# Altium PCB PCB_V2.PcbDoc (part 1 of 2) (continued)
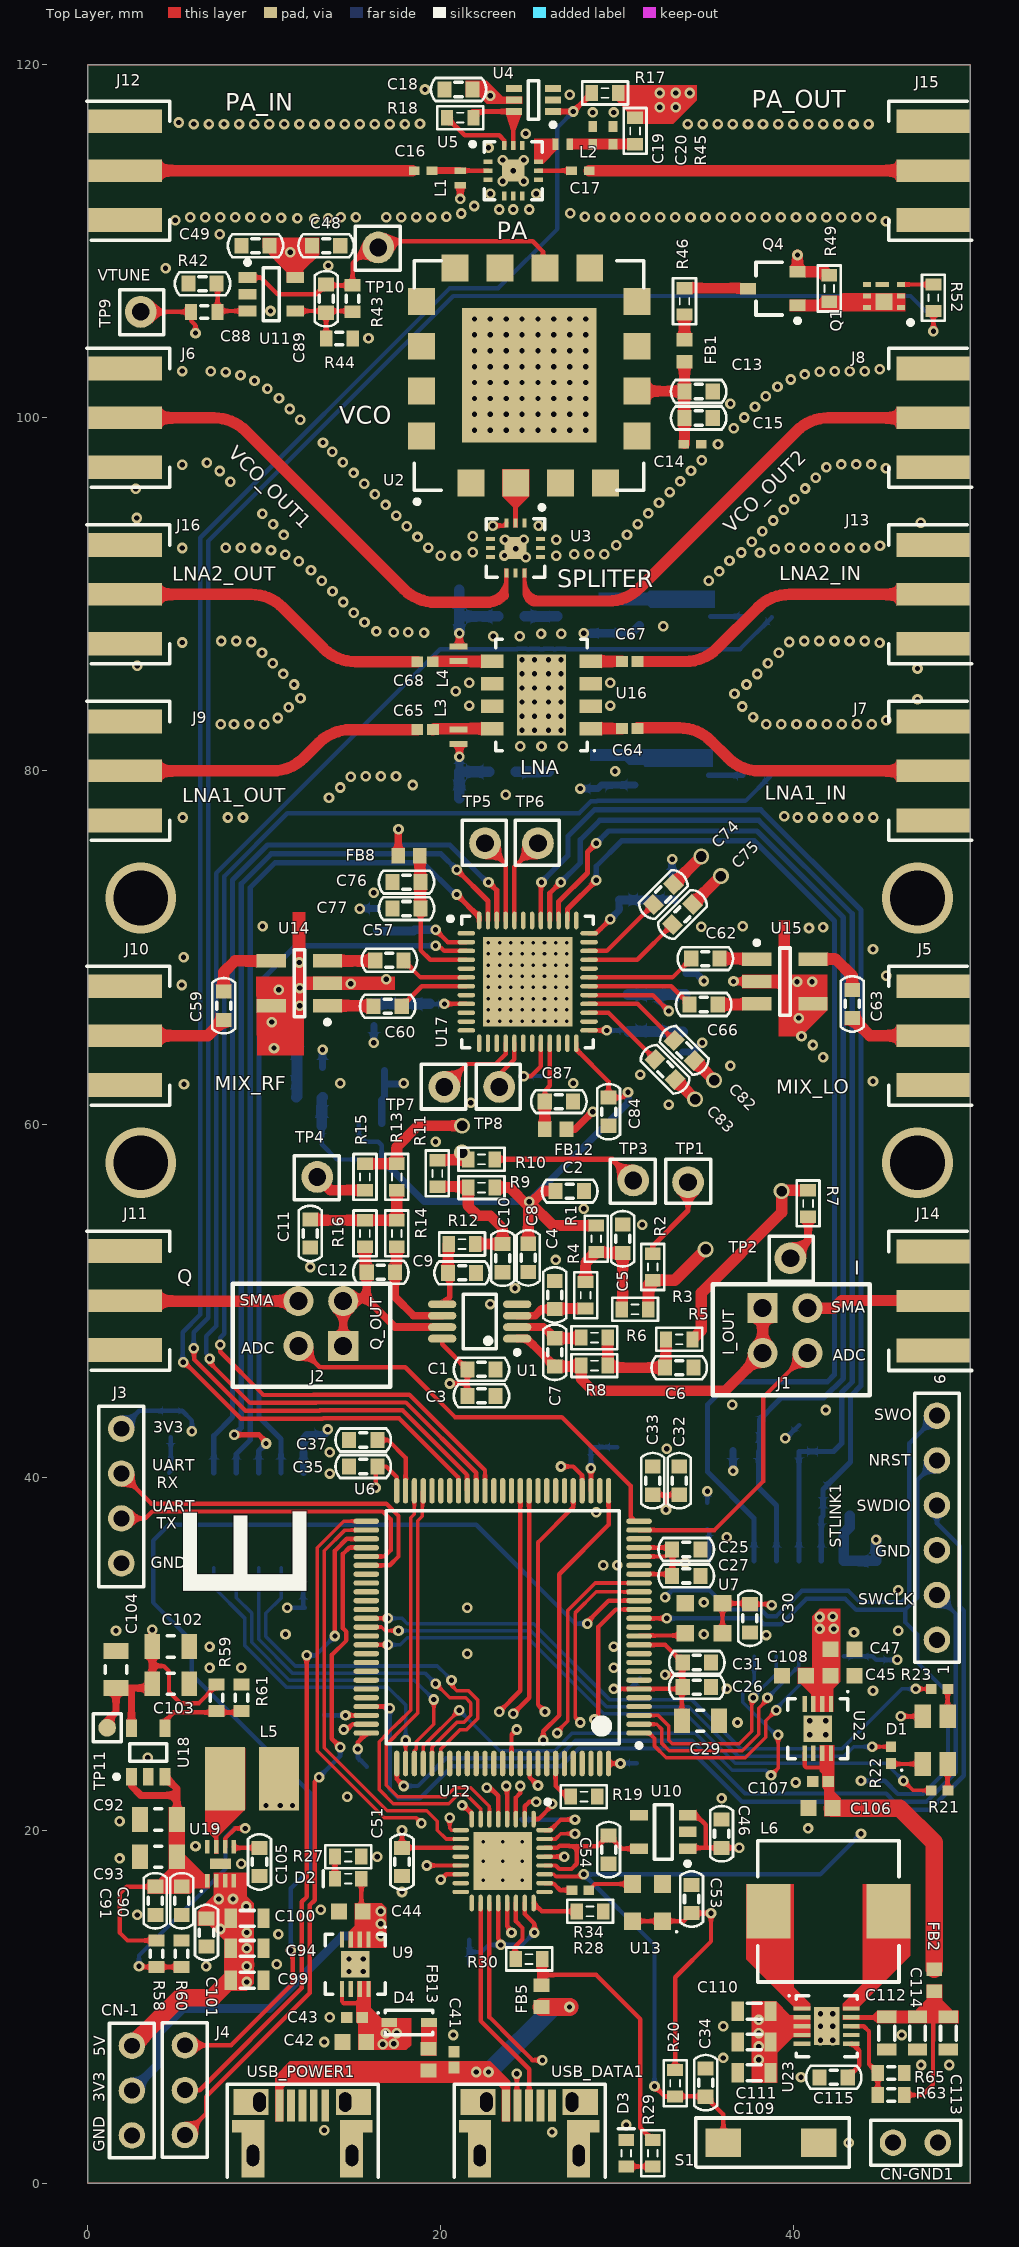
[diagram p0: Top Layer view]
## Components (designator, comment, footprint, x,y, rotation, side; value= is the part's Value field where it differs from the comment) (continued)
R20 "10K" "0603 Res" 33.269,5.667 r90 top
R21 "100" RESC1005X04L 48.25,22.25 r180 top
R22 "220" RESC1005X04L 45.5,24.25 r90 top
R23 "100" RESC1005X04L 48.25,28 r180 top
R24 "56K" "0603 Res" 12.55,63.2 r0 bottom
R25 "56K" "0603 Res" 12.55,61.515 r180 bottom
R26 "24K" "0603 Res" 11.85,65.5 r270 bottom
R27 "220" "0603 Res" 14.75,18.5 r0 top
R28 "8.06K" "0603 Res" 28.45,15.4 r0 top
R29 "1K" "0603 Res" 32,1.7 r270 top
R30 "10K" "0603 Res" 25,12.7 r0 top
R34 "100" RESC1005X04L 27.9,16.6 r180 top
R35 "10K" "0603 Res" 42.4,37.8 r0 bottom
R36 "10K" "0603 Res" 40.3,42.2 r90 bottom
R37 "10k" "0603 Res" 37.3,41.5 r180 bottom
R38 "DNI/10K" "0603 Res" 37.3,43 r0 bottom
R39 "DNI/10K" "0603 Res" 41.8,42.2 r270 bottom
R40 "DNI/10K" "0603 Res" 42.4,39.3 r180 bottom
R41 "30K" "0603 Res" 25.685,61.97 r90 bottom
R42 "?" J1-0603 6.6,106 r180 top
R43 "56K" J1-0603 15,106.75 r270 top
R44 "10K" J1-0603 14.25,104.5 r0 top
R45 "0R" "0603 Res" 31,116.25 r90 top
R46 "0R" "0603 Res" 33.8,106.6 r90 top
R47 "10k" "0603 Res" 4.7,43 r90 bottom
R48 "10k" "0603 Res" 35.1,37.8 r90 bottom
R49 "1k" "0603 Res" 42,107.325 r90 top
R50 "1k" "0603 Res" 31.25,89 r270 bottom
R51 "1k" "0603 Res" 31,79.95 r270 bottom
R52 "1k" "0603 Res" 47.9,106.8 r270 top
R53 "1k" "0603 Res" 38,88.7 r0 bottom
R54 "1k" "0603 Res" 37.9,79.7 r0 bottom
R55 "0R" "0603 Res" 24,88.75 r0 bottom
R56 "0R" "0603 Res" 23.5,79.95 r0 bottom
R58 "41.2K" J1-0603 3.9,13 r90 top
R59 "62K" J1-0603 7.3,27.5 r90 top
R60 "2K" J1-0603 5.3,13 r270 top
R61 "3K" J1-0603 8.7,27.5 r270 top
R63 "118K" J1-0603 45.5,5 r0 top
R65 "11.3K" J1-0603 45.5,6.25 r180 top
S1 "PushButton" GH7643CT-ND 38.7,2.3 r0 top
STLINK1 "Header-1x6" Header-1x6 48.1,33.32 r90 top
TP1 "TEST_POINT_PIN" TESTPOINT 34,56.7 r270 top
TP2 "TEST_POINT_PIN" TESTPOINT 39.8,52.4 r180 top
TP3 "TEST_POINT_PIN" TESTPOINT 30.9,56.8 r90 top
TP4 "TEST_POINT_PIN" TESTPOINT 13,57 r90 top
TP5 "TEST_POINT_PIN" TESTPOINT 22.5,75.9 r0 top
TP6 "TEST_POINT_PIN" TESTPOINT 25.5,75.9 r0 top
TP7 "TEST_POINT_PIN" TESTPOINT 20.2,62.1 r0 top
TP8 "TEST_POINT_PIN" TESTPOINT 23.3,62.1 r0 top
TP9 "TEST_POINT_PIN" TESTPOINT 3,106 r180 top
TP10 "TEST_POINT_PIN" TESTPOINT 16.45,109.65 r90 top
TP11 "TEST_POINT_PIN" "TESTPOINT 1mm" 1.1,25.8 r90 top
U1 "OPA2354AIDGKR" MSOP-8 22.2,48.815 r180 top
U2 "V600ME10-LF" CK605 25,102.4 r0 top
U3 "GP2Y+" DQ1225 24.225,92.625 r270 top
U4 "SN74LVC2G17DCKR" "DCK (R-PDSO-G6)" 25.25,118 r180 top
U5 "TSS-53LNB+" DQ1225 24.1,114 r0 top
U6 "STM32F205VET6" LQFP-100 23.5,31.5 r180 top
U7 "DSC6111CI1A-016.0000" "DFN 3.2x2.5" 34.9,32 r180 top
U8 "MCP6001T-I/LT" SC70P210X110-5L 16,59.015 r90 bottom
U9 "ADM7171ACPZ-3.3-R7" "SON50P300X80_HS-9N LFCSP_WD Analog" 15.15,12.405 r270 top
U10 "TLV73318PDBVT" SOT95P280X110-5N 32.6,19.9 r180 top
U11 "MIC6211YM5TR" SOT95P280X90-5N2 10.4,107 r0 top
U12 "USB3320C-EZK-TR" QFN127P600-8N 23.5,18.25 r270 top
U13 "DSC6101CI2A-024.0000" "DFN 3.2x2.5" 31.7,15.9 r90 top
U14 "TC1-1-43X+" AT1521 11.985,67.97 r180 top
U15 "TC1-1-43X+" AT1521 39.485,68.07 r0 top
U16 "MPGA-105+" DL1020_RECOMENDEDVALUES 25.7,84.3 r180 top
U17 "TRF371125IRGZT" QFN50P700X700X100_HS-49M 24.917,68.053 r0 top
U18 "ADP7142AUJZ-R7" SOT95P280X90-5N 3.425,24.4 r90 top
U19 "MIC2605YMLTR" SON50P200X90_HS-9N 7.525,18.1 r90 top
U20 "TXS0104EPWR" 14-SOIC 8.41,37.55 r90 bottom
U21 "TXS0104EPWR" 14-SOIC 39.01,32.55 r90 bottom
U22 "ADM7171ACPZ-5.0-R7" "SON50P300X80_HS-9N LFCSP_WD Analog" 41.35,25.75 r270 top
U23 "TPS63060DSCR" SON50P300X80_HS-11N 41.85,8.9 r0 top
USB_DATA1 "USB micro B" USB-MicroB 25,4.4 r0 top
USB_POWER1 "USB micro B" USB-MicroB 12.15,4.4 r0 top

## Footprints (in the part's own frame and the unit in brackets; to place one, negate y for a bottom-side part, rotate by r counter-clockwise, add the part's x,y. Pads: shape width x height; smd on the part's side, far side on the other; paste and mask are expansions set on the pad)
2x2_PinHeader [mm]
  rect 1.7x1.7 hole 1.02: 1(-1.27,1.27)
  round 1.7 hole 1.02: 2(-1.27,-1.27) 3(1.27,-1.27) 4(1.27,1.27)
8-QFN [mm]
  rect 0.45x0.3 smd: 1(-0.975,0.65) 2(-0.975,0) 3(-0.975,-0.65) 4(0.975,-0.65) 5(0.975,0) 6(0.975,0.65)
  rect 0.75x0.3 smd: 7(0.095,-0.65)
  rect 0.95x0.95 smd: 8(0,0.325)
  silkscreen extent -1.63,1.38 -1.38,1.62, body extent -1.05,-1.05 1.05,1.05, height 0.8
14-SOIC [mm]
  rect 1.55x0.6 smd: 1(-2.7,3.81) 2(-2.7,2.54) 3(-2.7,1.27) 4(-2.7,0) 5(-2.7,-1.27) 6(-2.7,-2.54) 7(-2.7,-3.81) 8(2.7,-3.81) 9(2.7,-2.54) 10(2.7,-1.27) 11(2.7,0) 12(2.7,1.27) 13(2.7,2.54) 14(2.7,3.81)
  silkscreen extent -2.82,-4.4 1.6,4.79, body extent -2,-4.4 2,4.4, height 1.75
"0603 Cap" [mm] "Chip Capacitor, Body 1.6x0.8mm, IPC High Density"
  rect 0.8x0.9 smd: 1(-0.8,0) 2(0.8,0)
  silkscreen extent -1.57,-0.65 1.57,0.65, body extent -0.8,-0.4 0.8,0.4, height 0.78
"0603 LED" [mm] "LED, Body 1.6x0.8mm, IPC High Density"
  rect 0.7x0.9 smd: 1(-0.75,0) 2(0.75,0)
  silkscreen extent -0.2,-0.45 1.4,0.45, body extent -0.85,-0.45 0.85,0.45, height 0.9
"0603 Res" [mm] "Chip Resistor, Body 1.6x0.8mm, IPC High Density"
  rect 0.7x0.9 smd: 1(-0.75,0) 2(0.75,0)
  silkscreen extent -1.3,-0.65 1.3,0.65, body extent -0.78,-0.43 0.78,0.43, height 0.44
"0805 CAP" [mm] "Chip Capacitor, 2-Leads, Body 2,00x1,25mm, IPC Medium Density"
  rect 0.9x1.4 smd: 1(-1.05,0) 2(1.05,0)
  silkscreen extent -0.2,-0.6 0.2,0.6, body extent -1,-0.6 1,0.6, height 1.2
AT1521 [mm] "SOTFL, 5-Leads, Body 3,81x3,81mm, Pitch 1,27mm, IPC Low Density, Minicircuits"
  rect 1.65x0.76 smd: 1(-1.59,1.27) 2(-1.59,0) 3(-1.59,-1.27) 4(1.59,-1.27) 6(1.59,1.27)
  silkscreen extent -1.72,-1.9 0.3,2.32, body extent -1.91,-1.91 1.91,1.91, height 4.06
CAPC1005X05L [mm] "Chip Capacitor, 2-Leads, Body 1,00x0,50mm, IPC High Density"
  rect 0.6x0.5 smd: 1(-0.5,0) 2(0.5,0)
  body extent -0.55,-0.3 0.55,0.3, height 0.5
CAPC1608X10L [mm] "Chip Capacitor, 2-Leads, Body 1,60x0,80mm, IPC High Density"
  rect 0.9x0.9 smd: 1(-0.675,0) 2(0.675,0)
  body extent -0.9,-0.5 0.9,0.5, height 1
CAPC2012X08L [mm] "Chip Capacitor, 2-Leads, Body 2,00x1,25mm, IPC High Density"
  rect 0.7x1.1 smd: 1(-0.925,0) 2(0.925,0)
  silkscreen extent -0.4,-0.45 0.4,0.45, body extent -1,-0.63 1,0.63, height 0.85
Chip2PinSM127P600-8N_CAP0402 [mm]
  rect 0.66x0.62 smd: 1(-0.44,0) 2(0.44,0)
  body extent -0.53,-0.28 0.53,0.27, height 0.5
CK605 [mm] "QFN, 16-Leads, Body 12,70x12,70mm, Pitch 2,54mm, IPC Low Density, Minicircuits"
  rect 1.52x1.52 smd: 1(-3.302,-6.096) 2(-0.762,-6.096) 3(1.778,-6.096) 4(4.318,-6.096) 5(6.1,-3.429) 6(6.1,-0.889) 7(6.1,1.651) 8(6.1,4.191) 9(3.429,6.096) 10(0.889,6.096) 11(-1.651,6.096) 12(-4.191,6.096) 13(-6.1,4.191) 14(-6.1,1.651) 15(-6.1,-0.889) 16(-6.1,-3.429)
  rect 7.62x7.62 smd: 17(0,0)
  silkscreen extent -6.5,-7.27 6.5,6.5, body extent -6.35,-6.35 6.35,6.35, height 1.78
CON-SMA-EDGE-S [mm]
  rect 1.27x4.2 smd: 1(0,0)
  rect 1.35x4.2 smd: 2(-2.8,0) 3(2.8,0)
  rect 1.35x4.2 smd far side: 4(-2.8,0) 5(2.8,0)
  silkscreen extent -3.94,-2.54 3.94,2.16, body extent -3.17,-2.05 3.18,11.28, height 3.77
"DCK (R-PDSO-G6)" [mm] "TSOP, 6-Leads, Body 2,00x1,25mm, Pitch 0,65mm, IPC Low Density, TexasInstrument, TI"
  rect 0.9x0.4 smd: 1(-1.1,0.65) 2(-1.1,0) 3(-1.1,-0.65) 4(1.1,-0.65) 5(1.1,0) 6(1.1,0.65)
  silkscreen extent -1.23,-1.1 0.3,1.52, body extent -0.7,-1.1 0.7,1.1, height 1.1
DFN270P320X210-4N [mm] "DFN, 4-Leads, Body 2,80x3,20mm, Pitch 2,70mm, IPC Medium Density"
  rect 1.35x0.95 smd: 1(1.35,0.707) 2(1.35,-0.707) 3(-1.35,0.707) 4(-1.35,-0.707)
  silkscreen extent -1.75,1.85 -1.65,1.95, body extent -1.7,-1.5 1.7,1.5, height 2.1
"DFN 3.2x2.5" [mm] "DFN, 4-Leads, Body 2,50x3,20mm, Pitch 2,10mm, IPC Medium Density"
  rect 1x0.95 smd: 1(-1.05,-0.85) 2(1.05,-0.85) 3(1.05,0.85) 4(-1.05,0.85)
  silkscreen extent -1.7,-1.7 -1.6,-1.6, body extent -1.63,-1.28 1.63,1.27, height 0.9
DL1020_RECOMENDEDVALUES [mm] "SON, 8-Leads, Body 6,00x4,90mm, Pitch 1,27mm, Thermal Pad 3,00x2,49mm, IPC Low Density, Minicircuits"
  rect 1.27x0.76 smd: 1(-2.79,1.905) 2(-2.79,0.635) 3(-2.79,-0.635) 4(-2.79,-1.905) 5(2.79,-1.905) 6(2.79,-0.635) 7(2.79,0.635) 8(2.79,1.905)
  rect 2.79x4.57 smd paste-1.245 mask+0: 9(0,0)
  silkscreen extent -3.05,-3.15 2.6,3.2, body extent -2.45,-3 2.45,3, height 0.9
DQ1225 [mm] "QFN, 12-Leads, Body 3,00x3,00mm, Pitch 0,51mm, Thermal Pad 1,25x1,25mm, IPC Low Density, Minicircuits"
  rect 0.51x0.25 smd: 1(-1.425,0.51) 2(-1.425,0) 3(-1.425,-0.51) 7(1.425,-0.51) 8(1.425,0) 9(1.425,0.51)
  rect 0.25x0.51 smd: 4(-0.51,-1.425) 5(0,-1.425) 6(0.51,-1.425) 10(0.51,1.425) 11(0,1.425) 12(-0.51,1.425)
  rect 1.25x1.25 smd: 13(0,0)
  silkscreen extent -2.42,-1.65 1.65,1.65, body extent -1.5,-1.5 1.5,1.5, height 0.89
GH7643CT-ND [mm]
  rect 2x1.6 smd: 1(-2.7,0) 2(2.7,0)
  silkscreen extent -4.26,-1.4 4.44,1.4
HEADER-1x2-Jumper [mm]
  round 1.5 hole 0.9: 1(-1.29,0) 2(1.25,0)
  silkscreen extent -2.56,-1.27 2.55,1.27, body extent -2.57,-1.24 2.52,1.25, height 8.54
Header-1x3-Jumper [mm]
  round 1.5 hole 0.9: 1(-2.54,0) 2(0,0) 3(2.54,0)
  silkscreen extent -3.81,-1.27 3.81,1.27, body extent -3.81,-1.22 3.81,1.27, height 8.54
HEADER-1X4 [mm]
  round 1.5 hole 0.9: 1(-2.54,0) 2(0,0) 3(2.54,0) 4(5.08,0)
  silkscreen extent -3.81,-1.27 6.4,1.27, body extent -3.78,-1.3 6.38,1.19, height 8.54
Header-1x6 [mm]
  round 1.5 hole 0.9: 1(-2.54,0) 2(0,0) 3(2.54,0) 4(5.08,0) 5(7.62,0) 6(10.16,0)
  silkscreen extent -3.81,-1.27 11.43,1.27, body extent -3.81,-1.22 11.43,1.27, height 8.54
INDC1005X07L [mm] "Coilcraft 0402CS, 2-Leads, Body 1,10x0,57mm, IPC High Density"
  rect 0.36x0.66 smd: 1(-0.41,0) 2(0.41,0)
  body extent -0.6,-0.32 0.6,0.32, height 0.66
INDC1008X07L [mm] "Coilcraft 0403HQ, 2-Leads, Body 1,09x0,76mm, IPC High Density"
  rect 0.36x1.02 smd: 1(-0.41,0) 2(0.41,0)
  body extent -0.6,-0.38 0.6,0.38, height 0.71
INDC1608X08L [mm] "Chip Inductor, 2-Leads, Body 1,60x0,80mm, IPC High Density"
  rect 0.77x0.88 smd: 1(-0.615,0) 2(0.615,0)
  body extent -0.87,-0.48 0.87,0.48, height 0.75
INDP4040X20N [mm] "Precision Wire Wound Inductor, 2-Leads, Body 4,00x4,00mm, IPC Medium Density"
  rect 2.25x3.6 smd: 1(-1.525,0) 2(1.525,0)
  body extent -2,-2 2,2, height 2
INDP8080X45N [mm] "Precision Wire Wound Inductor, 2-Leads, Body 8,00x8,00mm, IPC Medium Density"
  rect 2.5x3.1 smd: 1(-3.4,0) 2(3.4,0)
  silkscreen extent -4,-4 4,4, body extent -4,-4 4,4, height 4.5
J1-0603 [mm] "Chip Resistor, Body 1.6x0.8mm, IPC High Density"
  rect 0.7x0.9 smd: 1(-0.75,0) 2(0.75,0)
  silkscreen extent -0.2,-0.35 0.2,0.35, body extent -0.85,-0.48 0.85,0.48, height 0.9
LQFP-100 [mm] "TSQFP, 100-Leads, Body 14,00x14,00mm, Pitch 0,50mm, IPC Medium Density"
  oval 1.45x0.3 smd: 1(-7.725,6) 2(-7.725,5.5) 3(-7.725,5) 4(-7.725,4.5) 5(-7.725,4) 6(-7.725,3.5) 7(-7.725,3) 8(-7.725,2.5) 9(-7.725,2) 10(-7.725,1.5) 11(-7.725,1) 12(-7.725,0.5) 13(-7.725,0) 14(-7.725,-0.5) 15(-7.725,-1) 16(-7.725,-1.5) 17(-7.725,-2) 18(-7.725,-2.5) 19(-7.725,-3) 20(-7.725,-3.5) 21(-7.725,-4) 22(-7.725,-4.5) 23(-7.725,-5) 24(-7.725,-5.5) 25(-7.725,-6) 51(7.725,-6) 52(7.725,-5.5) 53(7.725,-5) 54(7.725,-4.5) 55(7.725,-4) 56(7.725,-3.5) 57(7.725,-3) 58(7.725,-2.5) 59(7.725,-2) 60(7.725,-1.5) 61(7.725,-1) 62(7.725,-0.5) 63(7.725,0) 64(7.725,0.5) 65(7.725,1) 66(7.725,1.5) 67(7.725,2) 68(7.725,2.5) 69(7.725,3) 70(7.725,3.5) 71(7.725,4) 72(7.725,4.5) 73(7.725,5) 74(7.725,5.5) 75(7.725,6)
  oval 0.3x1.45 smd: 26(-6,-7.725) 27(-5.5,-7.725) 28(-5,-7.725) 29(-4.5,-7.725) 30(-4,-7.725) 31(-3.5,-7.725) 32(-3,-7.725) 33(-2.5,-7.725) 34(-2,-7.725) 35(-1.5,-7.725) 36(-1,-7.725) 37(-0.5,-7.725) 38(0,-7.725) 39(0.5,-7.725) 40(1,-7.725) 41(1.5,-7.725) 42(2,-7.725) 43(2.5,-7.725) 44(3,-7.725) 45(3.5,-7.725) 46(4,-7.725) 47(4.5,-7.725) 48(5,-7.725) 49(5.5,-7.725) 50(6,-7.725) 76(6,7.725) 77(5.5,7.725) 78(5,7.725) 79(4.5,7.725) 80(4,7.725) 81(3.5,7.725) 82(3,7.725) 83(2.5,7.725) 84(2,7.725) 85(1.5,7.725) 86(1,7.725) 87(0.5,7.725) 88(0,7.725) 89(-0.5,7.725) 90(-1,7.725) 91(-1.5,7.725) 92(-2,7.725) 93(-2.5,7.725) 94(-3,7.725) 95(-3.5,7.725) 96(-4,7.725) 97(-4.5,7.725) 98(-5,7.725) 99(-5.5,7.725) 100(-6,7.725)
  silkscreen extent -7.85,-6.6 6.6,6.82, body extent -7,-7 7,7, height 1.6
MSOP-8 [mm] "TSOP, 8-Leads, Body 3,00x3,00mm, Pitch 0,65mm, IPC Medium Density"
  oval 1.6x0.45 smd: 1(-2.125,0.975) 2(-2.125,0.325) 3(-2.125,-0.325) 4(-2.125,-0.975) 5(2.125,-0.975) 6(2.125,-0.325) 7(2.125,0.325) 8(2.125,0.975)
  silkscreen extent -2.25,-1.55 0.92,1.87, body extent -2.41,-1.52 2.59,1.48, height 1.09
QFN50P700X700X100_HS-49M [mm] "QFN, 48-Leads, Body 7,00x7,00mm, Pitch 0,50mm, Thermal Pad 5,60x5,60mm, IPC Low Density"
  oval 1x0.25 smd: 1(-3.475,2.75) 2(-3.475,2.25) 3(-3.475,1.75) 4(-3.475,1.25) 5(-3.475,0.75) 6(-3.475,0.25) 7(-3.475,-0.25) 8(-3.475,-0.75) 9(-3.475,-1.25) 10(-3.475,-1.75) 11(-3.475,-2.25) 12(-3.475,-2.75) 25(3.475,-2.75) 26(3.475,-2.25) 27(3.475,-1.75) 28(3.475,-1.25) 29(3.475,-0.75) 30(3.475,-0.25) 31(3.475,0.25) 32(3.475,0.75) 33(3.475,1.25) 34(3.475,1.75) 35(3.475,2.25) 36(3.475,2.75)
  oval 0.25x1 smd: 13(-2.75,-3.475) 14(-2.25,-3.475) 15(-1.75,-3.475) 16(-1.25,-3.475) 17(-0.75,-3.475) 18(-0.25,-3.475) 19(0.25,-3.475) 20(0.75,-3.475) 21(1.25,-3.475) 22(1.75,-3.475) 23(2.25,-3.475) 24(2.75,-3.475) 37(2.75,3.475) 38(2.25,3.475) 39(1.75,3.475) 40(1.25,3.475) 41(0.75,3.475) 42(0.25,3.475) 43(-0.25,3.475) 44(-0.75,3.475) 45(-1.25,3.475) 46(-1.75,3.475) 47(-2.25,3.475) 48(-2.75,3.475)
  rect 5.08x5.08 smd: 49(0,0)
  silkscreen extent -4.5,-3.73 3.73,3.72, body extent -3.57,-3.58 3.58,3.57, height 1
QFN127P600-8N [mm]
  oval 0.95x0.25 smd: 1(-2.375,1.75) 2(-2.375,1.25) 3(-2.375,0.75) 4(-2.375,0.25) 5(-2.375,-0.25) 6(-2.375,-0.75) 7(-2.375,-1.25) 8(-2.375,-1.75) 17(2.375,-1.75) 18(2.375,-1.25) 19(2.375,-0.75) 20(2.375,-0.25) 21(2.375,0.25) 22(2.375,0.75) 23(2.375,1.25) 24(2.375,1.75)
  oval 0.25x0.95 smd: 9(-1.75,-2.375) 10(-1.25,-2.375) 11(-0.75,-2.375) 12(-0.25,-2.375) 13(0.25,-2.375) 14(0.75,-2.375) 15(1.25,-2.375) 16(1.75,-2.375) 25(1.75,2.375) 26(1.25,2.375) 27(0.75,2.375) 28(0.25,2.375) 29(-0.25,2.375) 30(-0.75,2.375) 31(-1.25,2.375) 32(-1.75,2.375)
  rect 3.3x3.3 smd: 33(0,0)
  silkscreen extent -3.47,2.43 -3.23,2.68, body extent -2.55,-2.55 2.55,2.55, height 1
RESC1005X04L [mm] "Chip Resistor, 2-Leads, Body 1,00x0,50mm, IPC High Density"
  rect 0.6x0.55 smd: 1(-0.475,0) 2(0.475,0)
  body extent -0.55,-0.3 0.55,0.3, height 0.4
SC70P210X110-5L [mm] "SC-70 5-Leads, Body 2,00x2,10mm, Pitch 0,65mm, IPC High Density"
  rect 0.65x0.4 smd: 1(-1.025,0.65) 2(-1.025,0) 3(-1.025,-0.65) 4(1.025,-0.65) 5(1.025,0.65)
  silkscreen extent -1.15,-1.1 0.3,1.53, body extent -0.7,-1.07 0.7,1.08, height 1.1
SODFL250X117-2N [mm] "SODFL, 2-Leads, Body 1,26x2,50mm, IPC Medium Density"
  rect 0.9x0.5 smd: 1(-1.125,0) 2(1.125,0)
  silkscreen extent -1.8,-0.7 1.35,0.7, body extent -1.35,-0.7 1.35,0.7, height 1.17
SON50P200X90_HS-9N [mm] "SON, 8-Leads, Body 2,00x2,00mm, Pitch 0,50mm, Thermal Pad 1,20x0,60mm, IPC Medium Density"
  rect 0.75x0.25 smd: 1(-0.965,0.75) 2(-0.965,0.25) 3(-0.965,-0.25) 4(-0.965,-0.75) 5(0.965,-0.75) 6(0.965,-0.25) 7(0.965,0.25) 8(0.965,0.75)
  rect 0.6x1.2 smd: 9(0,0)
  silkscreen extent -1.6,1.04 -1.5,1.14, body extent -1,-1 1,1, height 0.9
"SON50P300X80_HS-9N LFCSP_WD Analog" [mm] "SON, 8-Leads, Body 3,00x3,00mm, Pitch 0,50mm, Thermal Pad 1,60x1,49mm, IPC Medium Density"
  rect 0.9x0.25 smd: 1(-1.395,0.75) 2(-1.395,0.25) 3(-1.395,-0.25) 4(-1.395,-0.75) 5(1.395,-0.75) 6(1.395,-0.25) 7(1.395,0.25) 8(1.395,0.75)
  rect 1.49x1.6 smd: 9(0,0)
  silkscreen extent -2.15,-1.7 1.7,1.75, body extent -1.55,-1.55 1.55,1.55, height 0.8
SON50P300X80_HS-11N [mm] "SON, 10-Leads, Body 3,00x3,00mm, Pitch 0,50mm, Thermal Pad 2,15x1,44mm, IPC Medium Density"
  rect 0.95x0.25 smd: 1(-1.395,1) 2(-1.395,0.5) 3(-1.395,0) 4(-1.395,-0.5) 5(-1.395,-1) 6(1.395,-1) 7(1.395,-0.5) 8(1.395,0) 9(1.395,0.5) 10(1.395,1)
  rect 1.44x2.15 smd: 11(0,0)
  silkscreen extent -2.17,-1.73 1.72,1.77, body extent -1.58,-1.58 1.57,1.58, height 0.8
SOT95P240X80-3M [mm] "SOT23, 3-Leads, Body 2,90x2,40mm, Pitch 0,95mm, IPC Low Density"
  rect 0.9x0.65 smd: 1(-1.4,0.95) 2(-1.4,-0.95) 3(1.4,0)
  silkscreen extent -1.53,-1.5 0.95,1.95, body extent -0.95,-1.5 0.95,1.5, height 0.8
SOT95P280X90-5N [mm] "SOT23, 5-Leads, Body 2,40x2,80mm, Pitch 0,95mm, IPC Medium Density"
  rect 1x0.6 smd: 1(-1.375,0.95) 2(-1.375,0) 3(-1.375,-0.95) 4(1.375,-0.95) 5(1.375,0.95)
  silkscreen extent -1.5,-1.05 0.5,1.92, body extent -0.88,-1.02 0.87,1.03, height 0.9
SOT95P280X90-5N2 [mm] "SOT23, 5-Leads, Body 2,90x2,80mm, Pitch 0,95mm, IPC Medium Density"
  rect 1x0.6 smd: 1(-1.35,0.95) 2(-1.35,0) 3(-1.35,-0.95) 4(1.35,-0.95) 5(1.35,0.95)
  silkscreen extent -1.47,-1.5 0.45,1.92, body extent -0.85,-1.5 0.85,1.5, height 0.9
SOT95P280X110-5N [mm] "SOT23, 5-Leads, Body 2,90x2,80mm, Pitch 0,95mm, IPC Medium Density"
  rect 1x0.6 smd: 1(-1.375,0.95) 2(-1.375,0) 3(-1.375,-0.95) 4(1.375,-0.95) 5(1.375,0.95)
  silkscreen extent -1.5,-1.55 0.5,1.92, body extent -0.88,-1.52 0.87,1.53, height 1.1
TESTPOINT [mm] "TThrough hole test point"
  round 1.8 hole 1: 1(0,0)
  silkscreen extent -1.3,-1.25 1.2,1.3
"TESTPOINT 1mm" [mm] "Chip Capacitor, 2-Leads, Body 2,00x1,25mm, IPC Medium Density"
  round 1 smd: 1(0,0)
  silkscreen extent -0.8,-0.8 0.8,0.8
USB-MicroB [mm]
  rect 0.45x1.8 smd: 1(-1.3,0) 2(-0.65,0) 3(0,0) 4(0.65,0) 5(1.3,0)
  rect 0.55x0.7 smd: 6(-3.7,-1.175) 6(3.7,-1.175)
  rect 2x1.45 smd: 6(-2.9,0.2) 6(2.9,0.2)
  oval 0.8x1.3 hole 0.7 slot 1.2 at 90 deg: 6(-2.8,-2.83) 6(2.81,-2.83)
  rect 1.3x3.25 smd: 6(-2.8,-2.45) 6(2.8,-2.45)
  oval 0.8x1.2 hole 0.7 slot 1.1 at 90 deg: 6(-2.42,0.2) 6(2.43,0.2)
  silkscreen extent -4.25,-4.05 4.3,1.2, body extent -4.1,-4.95 4.1,0.48, height 2.68

## Part data
C1: library part CL10B101KB8NNNC, "CAP CER 100PF 50V X7R 0603"
C2 C3 C8 C21 C22 C24 C25 C26 C27 C28 C30 C31 C33 C34 C35 C36 C48 C49 C51 C52 C53 C54 C55 C88 C89 C90 C91 C101 C105 C115: library part C0603C104K4RACTU, "CAP CER 0.1UF 16V X7R 0603"
C4 C5 C6 C7 C9 C10 C11 C12 C38 C39 C40 C57 C58 C59 C60 C61 C62 C63 C66 C69 C70 C71 C72 C73 C74 C75 C76 C77 C78 C79 C80 C81 C82 C83 C84 C85 C86 C87 C95 C96 C97 C98: library part C_0603, "CAP CER 16V X7R 0603"
C13 C18: library part CC0603KRX7R7BB104, "CAP CER 0.1UF 16V X7R 0603"
C14 C20: library part CL05C100JB5NNNC, "CAP CER 10PF 50V 5% NP0 0402"
C15 C32 C46: library part CL10B105MO8NNWC, "CAP CER 1UF 16V X7R 0603"
C16 C17 C19: library part CL05C102JA5NNNC, "CAP CER 1000PF 25V 5% NP0 0402"
C23 C37 C56: library part CL10B225KP8NNNC, "CAP CER 2.2UF 10V X7R 0603"
C29: library part GRM21BR71C475KE51L, "CAP CER 4.7UF 16V X7R 0805"
C41 C43 C107: library part CL05B103KA5NNNC, "CAP CER 10000PF 25V X7R 0402"
C42 C44 C45 C47 C106 C108: library part GRM188R61C475KAAJD, "Multilayer Ceramic Capacitors MLCC - SMD/SMT 0603 4.7uF 16volts X5R + - 10%"
C64 C65 C67 C68: library part 04025A8R2BAT2A, "CAP CER 8.2PF 50V NP0 0402"
C92 C93 C102 C103 C104: library part C0805C335K4PACTU, "Multilayer Ceramic Capacitors MLCC - SMD/SMT 16volts 3.3uF X5R 10%"
C94 C99 C100: library part CL21B105KAFNNNE, "CAP CER 1UF 25V 10% X7R 0805"
C109 C110 C111 C112 C113 C114: library part CL21A106KAYNNNE, "CAP CER 10UF 25V 10% X5R 0805"
D1: "LED RGB CLEAR 1411 SMD"
D2: library part LTST-C191KRKT, "LED RED CLEAR 0603 SMD"
D3: library part LTST-C191KGKT, "LED GREEN CLEAR 0603 SMD"
D4: "DIODE SCHOTTKY 10V 3A SOD323"
FB1 FB2 FB5 FB6 FB7 FB8 FB9 FB10 FB11 FB12 FB13: library part BLM18PG121SN1D, "FERRITE BEAD 120 OHM 0603 1LN"
J5 J6 J7 J8 J9 J10 J11 J12 J13 J14 J15 J16: "CONN SMA JACK STR EDGE MNT"
L1: library part 0402CS-47NXGLU, "COILCRAFT - 0402CS-47NXGLU - INDUCTOR, RF, 47NH, 2%, 2.1GHZ, SMD"
L2: library part 0402CS-56NXJLU, "Fixed Inductors 0402CS HiFreq Chip 56 nH 5 % 0.1 A"
L3 L4: library part AISC-1008F-1R5G-T, "FIXED IND 1.5UH 630MA 760 MOHM"
L5: library part VLCF4020T-100MR85, "FIXED IND 10UH 850MA 185 MOHM"
L6: library part 1217AS-H-100M=P3, "Ind Power Shielded 10uH 20% 100KHz Ferrite 3.9A T/R"
Q1 Q2 Q3: "MOSFET N-CH 12V 76A 6SON"
Q4 Q5 Q6: "SMALL LOW ON RESISTANCE MOSFET"
R1 R2 R3 R4 R5 R6 R7 R8 R9 R10 R11 R12 R13 R14 R15 R16 R17 R18 R24 R25 R26 R35 R36 R37 R38 R39 R40 R41 R45 R46 R47 R48 R49 R50 R51 R52 R53 R54 R55 R56: library part R_0603, "SMD Resistor, 1%, 0.1W, 0603"
R19 R20 R30: library part RC0603FR-0710KL, "RES SMD 10K OHM 1% 1/10W 0603"
R21 R23 R34: library part MCR01MRTF1000, "RES 100 OHM 1/16W 1% 0402 SMD"
R22: library part RC0402FR-07220RL, "RES SMD 220 OHM 1% 1/16W 0402"
R27: library part RC0603FR-07220RL, "RES SMD 220 OHM 1% 1/10W 0603"
R28: library part RC0603FR-078K06L, "RES SMD 8.06K OHM 1% 1/10W 0603"
R29: library part RC0603FR-071KL, "RES SMD 1K OHM 1% 1/10W 0603"
R42 R43 R44 R58 R59 R60 R61 R63 R65: library part Res3, "Resistor"
S1: library part PushButton_95C04A3GWRT, "SWITCH TACTILE SPST-NO 0.05A 12V"
TP1 TP2 TP3 TP4 TP5 TP6 TP7 TP8 TP9 TP10 TP11: "Test point for single pin"
U1: "IC OPAMP VFB 100MHZ RRO 8VSSOP"
U2: "Voltage-Controlled Oscillator SMD"
U3: "Power Splitter/Combiner"
U4: "IC BUF NON-INVERT 5.5V SC70-6"
U5: "Low Noise Bypass Amplier"
U6: "IC MCU 32BIT 512KB FLASH 100LQFP"
U7 U13: "ULTRA-LOW POWER,MEMS OSCILLATOR,"
U8: "Operational Amplifiers - Op Amps Single 1.8V 1MHz"
U9: "IC REG LDO 3.3V 1A 8-LFCSP"
U10: "TEXAS INSTRUMENTS   TLV73318PDBVT   Fixed LDO Voltage Regulator, 1.4V to 5.5V, 122mV Dropout, 1.8Vout, 300mAout, SOT-23-5"
U11: "IC OPAMP GP 2.5MHZ SOT23-5"
U12: "IC TXRX USB 2.0 FLEXPWR 32QFN"
U14 U15: "SMD RF Transformer"
U16: "Dual Matched MMIC Ampli er"
U17: "IC IQ DEMODULATOR W/PGA 48VQFN"
U18: "LDO Voltage Regulators 40V 200mA LDO adjVo"
U19: "Boost Switching Regulator IC Positive Adjustable 4.5V 1 Output 500mA (Switch) 8-VFDFN Exposed Pad, 8-MLF®"
U20 U21: "IC TRNSLTR BIDIRECTIONAL 14TSSOP"
U22: "LDO Regulator Pos 5V 1A 8-Pin LFCSP T/R"
U23: "IC REG BUCK BOOST ADJ 2A 10WSON"

## Via types
v1: diameter 0.6, hole 0.3, Top Layer to Bottom Layer, tented both sides, 636 vias
v2: diameter 0.5, hole 0.2, Top Layer to Bottom Layer, tented both sides, 73 vias
v3: diameter 0.9, hole 0.6, Top Layer to Bottom Layer, tented both sides, 8 vias
v4: diameter 4, hole 3.1, Top Layer to Bottom Layer, 4 vias

## Nets (pads, with @x,y where several pads share a name; then routed paths per layer and width w, separated by ;. In a path a pad name is that pad's centre, name@x,y a point inside that pad or via, vN(x,y) a via of type N, cw(c..) or ccw(c..) an arc to the next point about the centre after c; other vN are vias at no path point)
1V8: C54.2 U10.5 U12.28 U12.30 | length 9
  Top Layer w0.25: U12.28@25.875,18 26.5,18 26.7,17.8 27.4,17.8 27.7,18.1 27.7,19.1 ; U12.30@25.875,19 26.6,19 26.7,19.1 26.716,19.1 26.741,19.125 27.259,19.125 27.284,19.1 27.7,19.1 ; U10.5@31.225,18.95 30.25,18.95 C54.2@29.5,19.7 28.9,19.1 27.7,19.1
3V3: C21.2 C22.1 C24.2 C25.2 C26.2 C27.1 C28.1 C29.1 C30.2 C31.1 C32.2 C33.1 C35.2 C36.1 C44.2 C46.2 C51.2 C52.2 C53.2 C96.1 C98.1 CN-1.2 D1.1 D2.1 J3.1 R20.2 R47.2 R48.2 STLINK1.1 U6.6 U6.11 U6.19 U6.21 U6.22 U6.28 U6.50 U6.75 U6.100 U7.1 U7.4 U9.1 U9.2 U9.3 U10.1 U10.3 U12.8 U12.11 U12.14 U12.21 U12.32 U13.1 U13.4 U20.1 U21.1 | length 118.5
  Top Layer w0.25: v1(15.3,24.6) 15.3,24.975 15.8,25.475 U6.75@15.775,25.5 ; D2.1@15.5,17.25 15.5,15.475 C44.2@15.575,15.4 ; v1(16.3,39.4) 16.3,40.6 16.9,40.6 17.5,40 U6.50@17.5,39.225 ; v1(17.8,20) C51.2@17.8,19 U12.11@21.125,19 ; v1(20,17.2) 20.3,17.5 U12.14@21.125,17.5 ; v1(21.2,21.4) 21.3,21.4 21.75,20.95 U12.8@21.75,20.625 ; U12.21@23.75,15.875 23.75,14.55 24,14.3 v1(24,14.2) ; U12.32@25.875,20 26.2,20 26.8,20.6 v1(27.6,20.6) ; U6.28@28.5,39.225 v1(28.5,40.5) ; U6.100@29.5,23.775 v1(30.175,23.775) ; v1(29.8,28) U6.6@31.225,28 33.6,28 C26.2@33.65,28.05 ; U13.4@30.85,14.85 U13.1@32.55,14.85 33.75,14.85 C53.2@34.2,15.3 v1(35.3,15.3) 35.3,13.7 33.269,11.669 R20.2@33.269,6.417 ; U6.11@31.225,30.5 32.7,30.5 C31.1@33.7,29.5 33.7,28.8 ; U6.19@31.225,34.5 33,34.5 C27.1@33.1,34.4 33.1,35.15 ; U6.21@31.225,35.5 32.7,35.5 C25.2@33.1,35.9 ; U6.22@31.225,36 33,36 C25.2@33.1,35.9 ; C33.1@32,39 32.75,39 ; v1(32.7,28.8) 33.7,28.8 ; v1(32.75,38.15) 32.75,39 ; C32.2@33.5,39 32.75,39 ; C29.1@33.65,26.2 C26.2@33.65,28.05 ; v1(33.85,35.15) 33.1,35.15 ; U10.1@33.975,18.95 34.025,19 35,19 ; U10.3@33.975,20.85 34.45,20.85 35,20.3 35,19.1 35.1,19 C46.2@35.9,19 v1(36.9,19) ; U7.4@35.95,31.15 U7.1@35.95,32.85 37.45,32.85 C30.2@37.5,32.8 38.7,32.8 v1(38.75,32.75) ; v1(46.05,26.45) D1.1@47.293,26.45 ; 33.1,35.15 C25.2@33.1,35.9 ; C26.2@33.65,28.05 C26.2@33.7,28.1 33.7,28.8
  Signal Layer 1 w0.25: v1(33.85,35.15) v1@33.9,35.1
  Signal Layer 2 w0.25: v1(5.9,42.6) 9.1,39.4 v1(16.3,39.4)
  Bottom Layer w0.25: J3.1@1.9,42.74 2.91,43.75 R47.2@4.7,43.75 5.35,43.75 5.9,43.2 v1(5.9,42.6) ; v1(11.3,32.6) 12.3,32.6 C96.1@12.2,32.7 12.2,34.83 U20.1@12.22,34.85 ; v1(15.3,24.6) 15.3,24.1 C22.1@15.8,23.6 ; C52.2@24.55,20.625 24.675,20.5 24.775,20.6 v1(27.6,20.6) ; v1(28.5,40.5) C36.1@28.5,41.7 C24.2@30,41.7 ; v1(29.8,28) 30.7,28 C28.1@31.3,28.6 ; v1(30.175,23.775) 30.2,23.8 C21.2@31.1,23.8 ; R48.2@35.1,38.55 v1(35.1,39.2) ; U21.1@42.82,29.85 44.45,29.85 C98.1@44.65,29.65 v1(45.85,29.65)
  Bottom Layer w0.5: CN-1.2@2.5,5.25 4,6.75 4,8.5 5.4,9.9 10.3,9.9 14.4,14 v1(16.6,14)
  other v1: 16.6,14.7 16.6,15.4
5V: C1.1 C3.1 C18.2 C38.1 C39.1 C45.2 C47.2 C95.1 C97.1 C108.2 FB6.1 FB7.1 FB8.1 FB9.1 FB10.1 FB11.1 FB12.1 Q4.2 Q5.2 Q6.2 R17.2 R24.2 R35.2 R36.2 R37.2 R45.2 R49.2 R50.2 R51.2 U1.8 U4.5 U8.5 U20.14 U21.14 U22.1 U22.2 U22.3 | length 39.7
  Top Layer w0.25: U1.8@20.075,47.84 20.075,47.525 C1.1@21.5,46.1 21.5,45.3 ; v1(20.5,45.3) 21.5,45.3 ; C3.1@21.5,44.6 21.5,45.3
  Top Layer w0.35: C18.2@21.8,118.6 C18.2@21.9,118.5
  Top Layer w0.4: FB8.1@17.585,75.2 v1@17.585,76.7 ; FB12.1@27.115,59.7 27.6,59.7 v1(28.6,60.7)
  Top Layer w0.6: v1(40.2,109.225) Q4.2@40.2,108.275 R49.2@41.8,108.275
  Bottom Layer w0.25: v1(39.5,42.2) 39.6,42.2 39.6,42.25 R36.2@40.3,42.95
  Bottom Layer w0.4: U20.14@12.22,40.25 12.22,42.22 C95.1@12.4,42.4 13.4,42.4 13.6,42.6 v1(13.6,42.7) ; R24.2@13.3,63.2 v1(13.3,64.2) ; v1(15.4,72.2) 15.415,72.215 FB7.1@16.4,72.215 ; v1(16.2,64.6) FB10.1@16.2,65.585 ; U8.5@16.65,60.04 16.65,61.365 C39.1@16.8,61.515 16.8,62.265 ; C38.1@16.8,63.015 16.8,62.265 ; v1(17.9,62.3) 17.865,62.265 16.8,62.265 ; v1(27.9,79) Q6.2@28.9,79 29.1,79.2 R51.2@31,79.2 ; FB6.1@33.1,74.015 v1(33.1,75) ; FB11.1@33.7,64.085 34.285,64.085 v1(34.8,64.6) ; FB9.1@33.9,68.515 34.485,68.515 v1(34.9,68.1) ; v1(36.55,40.35) R37.2@36.55,41.5
  Bottom Layer w0.5: v1(28.1,87.8) Q5.2@29.4,87.8 30.8,87.8 R50.2@31.25,88.25
  Bottom Layer w0.6: R35.2@43.15,37.8 43.15,37.15 42.82,36.82 U21.14@42.82,35.25 C97.1@44.65,35.25 v1(44.65,36.45)
  other v1: 41.45,31.4 42.25,31.4 41.45,32.075 42.2,32.1 17.6,76.7 32.4,117.6 33.3,117.6 22.8,118.25 32.4,118.4 33.3,118.4 34.1,118.4
5V7: C112.2 C113.2 C114.2 FB2.1 R63.2 U23.9 | length 5.6
  Top Layer w0.25: R63.2@46.25,5 47.3,5 47.875,5.575 47.875,8.06 47.9,8.085 47.9,9.3
5VUSB: C42.2 C43.2 C94.2 C99.2 C100.2 C101.2 C109.1 C110.2 C111.2 CN-1.1 D4.1 L5.1 U9.5 U9.7 U9.8 U19.2 U19.3 U19.4 U23.2 U23.3 U23.4 | length 11.8
  Top Layer w0.25: U9.5@14.4,11.01 14.4,10.3 14.5,10.2 15.6,10.2
  Top Layer w0.4: C43.2@15.54,9.4 15.775,9.165 C42.2@15.775,8 15.8,7.975 C42.2@15.825,8
  Top Layer w1: CN-1.1@2.5,7.79 5.21,10.5 7.06,10.5 v1@8.93,12.37
  other v1: 38,7 38,7.75 16.7,7.875 17.325,7.9 16.875,8.5 17.5,8.5 38,8.5 38,9.25 9,11.4 9,12.3 9,13.3 9,14.2 7.5,14.4 8.975,15.675 7.425,16.1 8.225,16.1 10.1,21.4 10.9,21.4 11.6,21.4
26V: C48.2 C49.2 C102.2 C103.2 C104.2 R59.2 TP11.1 U11.5 U18.5 | length 100.7
  Top Layer w0.25: 3.65,29.3 4.3,29.3 4.6,29 4.6,27.84 5.24,27.2 6.3,27.2 R59.2@7.275,28.175
  Top Layer w0.4: TP11.1@1.1,26.2 1.6,26.7 C104.2@1.6,28.05 2.5,28.05 ; U18.5@2.475,26.175 2.475,28.025 2.5,28.05 ; v1(3.65,31.35) C102.2@3.65,30.4 3.65,29.3 C103.2@3.65,28.3 3.4,28.05 2.5,28.05
  Signal Layer 2 w0.6: v1(3.65,31.35) 4.6,32.3 4.6,47.8 6.8,50 6.8,73.2 4.6,75.4 4.6,77.004 4.575,77.029 4.575,77.691 4.6,77.716 4.6,86.894 4.55,86.944 4.55,87.606 4.6,87.656 4.6,92.244 4.55,92.294 4.55,92.956 4.6,93.006 4.6,96.969 4.55,97.019 4.55,97.681 4.6,97.731 4.6,102.269 4.55,102.319 4.55,102.981 4.6,103.031 4.6,103.75 4.55,103.8 4.55,106.85 7.125,109.425 11.45,109.425 11.475,109.4 v1(11.475,109.375)
27V: C90.2 C91.2 C92.2 C93.2 R58.2 U18.1 U18.3 U19.1 | length 12.7
  Top Layer w0.25: C91.2@3.825,16.8 2.2,16.8 1.8,16.4 1.8,14.2 2.25,13.75 R58.2@3.9,13.75
  Top Layer w0.4: U18.1@2.475,23.025 2.475,22.5 3,21.975 5.05,21.975 ; U18.3@4.375,23.025 5.05,22.35 5.05,21.975 ; C92.2@5.05,20.6 5.05,21.975
CP_OUT_1: J6.1 U3.7 | length 24.9
  Top Layer w0.645: J6.1@2.887,100 7.148,100 cw(c7.148,97.46) 8.944,99.256 17.906,90.294 ccw(c19.702,92.09) 19.702,89.55 22.559,89.55 ccw(c22.559,90.916) 23.525,89.95
CP_OUT_2: J8.1 U3.9 | length 27
  Top Layer w0.25: 24.735,90.39 U3.9@24.735,91.2
  Top Layer w0.645: 25.084,89.766 ccw(c25.425,90.108) 25.425,89.625 29.473,89.625 ccw(c29.473,92.165) 31.269,90.369 40.156,99.256 cw(c41.952,97.46) 41.952,100 J8.1@47.15,100